# Allegro board IMX7D EVK BOARD REV D_160314.brd (continued)
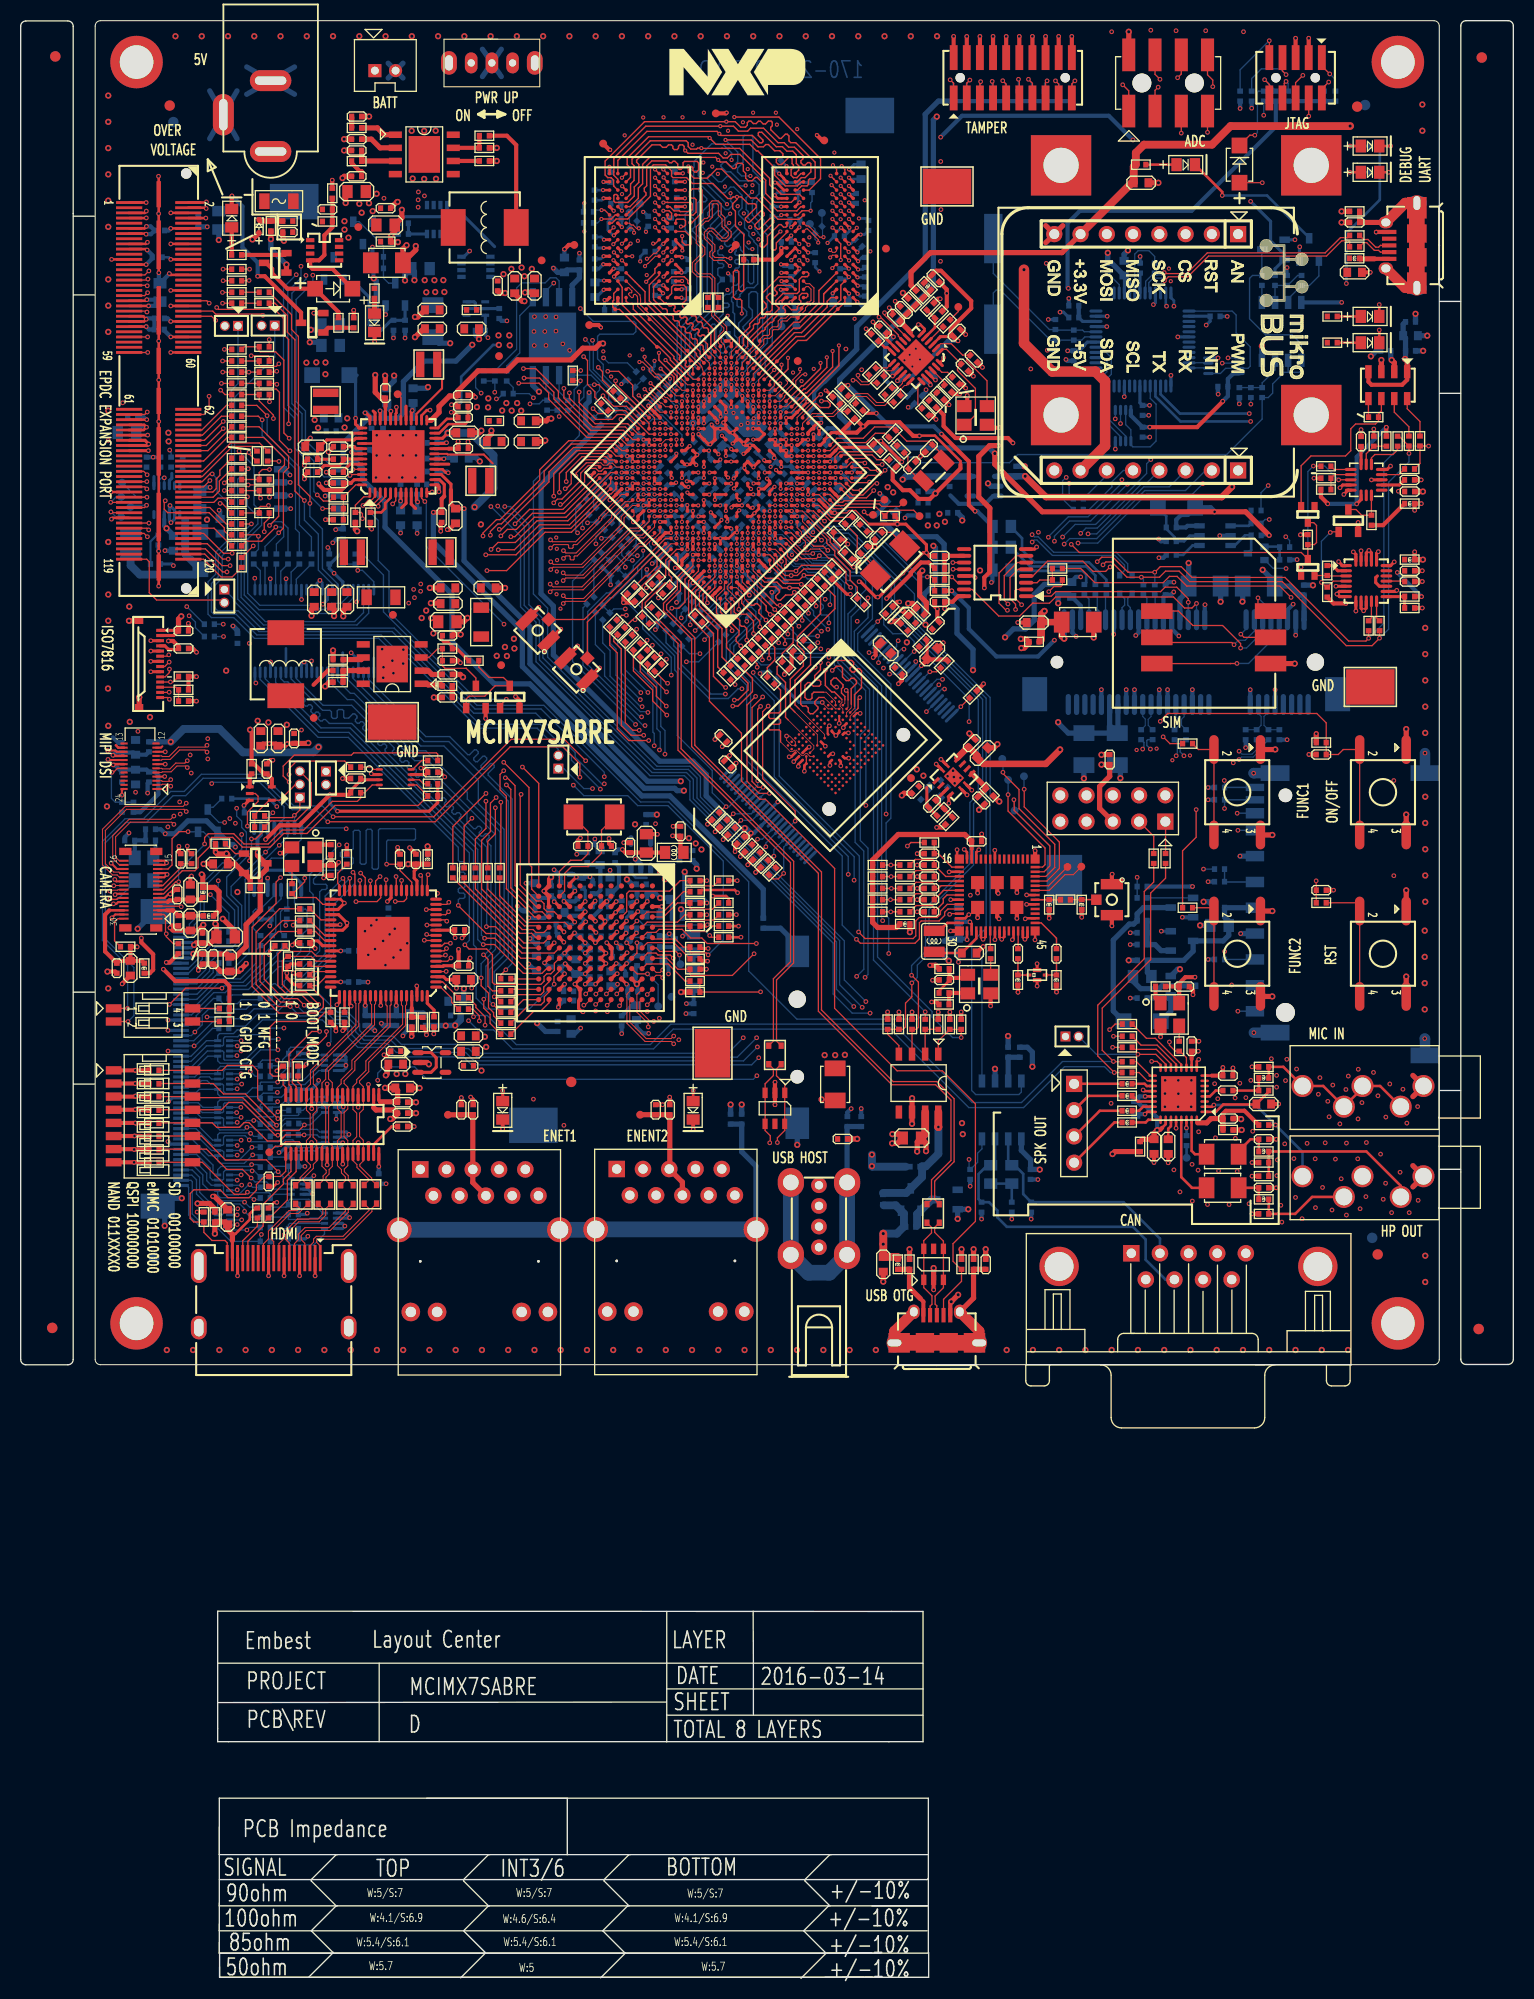
[diagram p0: board, top side]
## Routing (per net, layer and track width the routed paths; a pad name or vN(x,y) marks a point on that pad's centre or on a via; arc(x,y) is an arc through that point) (continued)
SD1_CLK_R: length 4.2
  BOTTOM w0.137: J6.5 116.47,106.04 C197.1 R106.2
SD1_CMD: length 69.3
  TOP w0.137: R39.2 70.34,125.28 70.34,124.61 69.4,123.67 69.05,123.67 v1(69.02,123.64)
  L3_INT_1 w0.127: v1(116.45,99.32) 116.45,100.78 111.12,106.11 111.12,106.29 111.64,106.8 111.64,106.98 111.46,107.16 111.28,107.16 110.76,106.64 110.58,106.64 110.4,106.82 110.4,107 110.95,107.55 110.95,107.73 110.77,107.91 110.59,107.91 110.04,107.36 109.86,107.36 108.62,108.61 90.17,108.61 83.37,115.41 78.01,115.41 72.92,120.51 72.15,120.51 v1(69.02,123.64)
  BOTTOM w0.137: J6.2 116.44,98.55 R99.2 116.44,99.31 v1(116.45,99.32)
SD1_DATA0: length 71
  TOP w0.137: v1(69.1,125.14) 69.07,125.16 69.07,125.2 R41.2
  L3_INT_1 w0.127: v1(69.1,125.14) 69.1,124.72 72.18,121.63 74.87,121.63 75.56,120.94 75.56,119.17 78.48,116.25 84.85,116.25 91.02,110.08 98.46,110.08 99.13,109.41 111.84,109.41 111.96,109.29 111.96,108.53 112.09,108.4 112.34,108.4 112.47,108.53 112.47,109.29 112.6,109.41 112.85,109.41 112.98,109.29 112.98,107.99 113.11,107.87 113.36,107.87 113.49,107.99 113.49,109.29 113.61,109.41 113.87,109.41 113.99,109.29 113.99,107.99 114.12,107.87 114.38,107.87 114.5,107.99 114.5,108.91 114.63,109.04 114.88,109.04 115.01,108.91 115.01,107.99 115.14,107.87 115.39,107.87 115.52,107.99 115.52,108.88 115.65,109.01 115.99,109.01 116.09,108.91 116.09,108.09 116.23,107.94 116.52,107.94 116.62,108.04 116.62,109.94 v1(117.73,111.04)
  BOTTOM w0.137: J6.7 v1(117.73,111.04)
SD1_DATA1: length 72.7
  L3_INT_1 w0.127: v1(117.66,112.69) 116.9,112.69 116.32,112.12 116.32,111.94 116.77,111.49 116.77,111.31 116.59,111.13 116.41,111.13 115.97,111.58 115.79,111.58 115.61,111.4 115.61,111.22 116,110.83 116,110.65 115.82,110.47 115.64,110.47 115.25,110.86 115.07,110.86 114.89,110.68 114.89,110.5 115.2,110.18 115.2,110 115.02,109.82 114.84,109.82 114.53,110.14 114.35,110.14 114.09,109.88 99.24,109.88 98.59,110.54 94.12,110.54 93.46,111.19 90.43,111.19 79.64,121.99 75.5,121.99 73.01,124.48 70.01,124.48 v1(69.76,124.73)
  BOTTOM w0.137: v1(69.76,124.73) 69.38,124.73 68.44,123.79 66.58,123.79 63.56,126.82 63.56,128.04 62.42,129.18 R42.2 ; J6.8 v1(117.66,112.69)
SD1_DATA2: length 72.7
  TOP w0.137: R43.2 70.04,126.49 70.78,125.75 70.78,124.45 69.38,123.06 v1(68.87,123.06)
  L3_INT_1 w0.127: v1(117.73,93.54) 117.73,97.31 113.24,101.8 113.24,102.94 112.39,103.8 112.21,103.8 111.98,103.57 111.8,103.57 111.62,103.75 111.62,103.93 111.85,104.16 111.85,104.34 111.67,104.52 111.49,104.52 111.26,104.29 111.08,104.29 110.9,104.47 110.9,104.65 111.13,104.87 111.13,105.05 107.96,108.22 90.02,108.22 83.27,114.98 76.85,114.98 68.87,122.95 v1(68.87,123.06)
  BOTTOM w0.137: J6.9 v1(117.73,93.54)
SD1_DATA3: length 73.2
  L3_INT_1 w0.127: v1(117.13,96.08) 117.13,97.02 109.59,104.57 109.59,105.86 107.61,107.83 89.82,107.83 83.06,114.59 76.65,114.59 68.17,123.07 68.17,124.21 v1(68.16,124.22)
  BOTTOM w0.137: v1(117.13,96.08) 117.16,96.05 J6.1 ; R44.2 63.16,128.91 63.9,128.16 63.9,127.09 66.76,124.22 v1(68.16,124.22)
SD1_RESET_B: length 62.1
  TOP w0.127: v1(66.42,133.05) 66.35,133.11 66.35,133.73 67.14,134.51 U7.B4
  L3_INT_1 w0.127: v1(107.99,106.5) 107.03,107.45 89.61,107.45 82.9,114.16 76.44,114.16 67.49,123.1 67.49,130.71 66.42,131.78 v1(66.42,133.05)
  BOTTOM w0.137: v1(107.99,106.5) R491.1 R108.1
SD1_WP: length 79.7
  TOP w0.102: U7.C4 67.67,135.04 v3(67.67,135.04)
  L3_INT_1 w0.127: 87.04,115.63 87.22,115.46 87.4,115.46 87.82,115.87 88,115.87 88.18,115.69 88.18,115.51 87.76,115.1 87.76,114.92 87.94,114.74 88.12,114.74 88.57,115.19 88.75,115.19 88.93,115.01 88.93,114.83 88.48,114.38 88.48,114.2 89.75,112.93 89.93,112.93 90.28,113.28 90.46,113.28 90.64,113.1 90.64,112.92 90.29,112.57 90.29,112.39 90.67,112.01 98.55,112.01 99.8,110.76 112.64,110.76 115.51,113.63 115.51,114.95 v1(116.41,115.86) ; v3(67.67,135.04) 67.75,134.96 67.75,131.9 68.28,131.37 68.28,127.59 70.65,125.22 73.38,125.22 75.72,122.88 78.43,122.88 78.56,123.01 78.56,123.39 78.69,123.51 78.94,123.51 79.07,123.39 79.07,123.01 79.19,122.88 79.8,122.88 81.41,121.27 81.59,121.27 81.85,121.53 82.03,121.53 82.21,121.35 82.21,121.17 81.95,120.91 81.95,120.73 82.13,120.55 82.31,120.55 82.57,120.81 82.75,120.81 82.93,120.63 82.93,120.45 82.67,120.19 82.67,120.01 82.85,119.83 83.03,119.83 83.29,120.09 83.47,120.09 83.65,119.91 83.65,119.73 83.39,119.47 83.39,119.29 83.57,119.11 83.75,119.11 84.01,119.37 84.19,119.37 84.37,119.19 84.37,119.01 84.1,118.75 84.1,118.57 84.44,118.24 84.62,118.24 84.88,118.5 85.06,118.5 85.24,118.32 85.24,118.14 84.98,117.88 84.98,117.7 86.5,116.17
  L3_INT_1 w0.137: 87.04,115.63 86.5,116.17
  BOTTOM w0.137: J6.11 116.45,115.19 R100.2 116.44,115.84 v1(116.41,115.86)
SD2_CLK: length 41.8
  TOP w0.137: R151.2 86.1,109.86 v1(85.77,109.53)
  L3_INT_1 w0.127: v1(85.77,109.53) 84.61,110.69 84.43,110.69 84.12,110.38 83.99,110.38 83.76,110.61 83.76,110.74 84.07,111.05 84.07,111.23 83.77,111.52 83.24,111.52 83.11,111.4 83.11,110.89 82.98,110.76 82.73,110.76 82.6,110.89 82.6,111.4 82.48,111.52 82.22,111.52 82.1,111.4 82.1,110.84 81.97,110.71 81.71,110.71 81.59,110.84 81.59,111.4 81.46,111.52 81.21,111.52 81.08,111.4 81.08,110.84 80.95,110.71 80.7,110.71 80.57,110.84 80.57,111.4 80.44,111.52 80.19,111.52 80.06,111.4 80.06,110.84 79.94,110.71 79.68,110.71 79.56,110.84 79.56,111.4 79.43,111.52 79.17,111.52 79.05,111.4 79.05,110.84 78.92,110.71 78.67,110.71 78.54,110.84 78.54,111.4 78.41,111.52 77.81,111.52 66.69,122.64 66.69,128.93 v1(66.15,129.48)
  BOTTOM w0.137: R286.2 66.72,130.05 v1(66.15,129.48)
SD2_CLK_R: length 4
  TOP w0.137: U16.17 90.07,107.48 88.77,108.78 C391.1 R151.1
SD2_CMD: length 39.2
  TOP w0.137: R152.2 v1(84.16,107.69) R375.2
  L3_INT_1 w0.127: v1(84.16,107.69) 83.17,108.68 83.17,108.86 83.78,109.47 83.78,109.65 83.6,109.83 83.42,109.83 82.81,109.22 82.63,109.22 82.45,109.4 82.45,109.58 82.83,109.96 82.83,110.14 82.65,110.32 82.47,110.32 82.09,109.94 81.91,109.94 81.67,110.18 78.62,110.18 66.25,122.55 66.25,128.4 65.69,128.96 65.69,130.75 65.52,130.92 v1(64.76,130.92)
  BOTTOM w0.137: R287.2 64.76,131.29 v1(64.76,130.92)
SD2_CMD_R: length 5.9
  TOP w0.137: R375.1 86.54,108.22 88.19,108.22 88.36,108.05 C397.1 89.47,106.58 U16.19
SD2_DA0: length 5.7
  TOP w0.137: U16.20 88.79,106.13 C401.1 88.36,107 88.22,107.15 86.59,107.15 R374.1
SD2_DA1: length 5.6
  TOP w0.137: R373.1 86.6,106.02 88.16,106.02 88.36,105.81 C400.1 88.77,105.42 89.03,105.68 U16.21
SD2_DA2: length 5.9
  TOP w0.137: R372.1 86.58,104.91 88.25,104.91 88.36,104.8 C399.1 89.26,105.23 U16.22
SD2_DA3: length 6.4
  TOP w0.137: R371.1 86.61,103.76 88.18,103.76 88.36,103.58 C398.1 89.23,104.03 89.23,104.43 89.59,104.78 U16.23
SD2_DATA0: length 37.9
  TOP w0.137: R374.2 v1(84.19,106.57) R156.2
  L3_INT_1 w0.127: v1(65.7,128.13) 65.7,122.57 78.59,109.68 81.07,109.68 81.47,109.28 81.47,109.1 81.16,108.79 81.16,108.61 81.34,108.43 81.52,108.43 81.83,108.75 82.01,108.75 82.19,108.57 82.19,108.39 81.86,108.06 81.86,107.88 82.04,107.7 82.22,107.7 82.55,108.03 82.73,108.03 82.91,107.85 82.91,107.67 82.54,107.3 82.54,107.12 82.72,106.94 82.9,106.94 83.26,107.31 83.44,107.31 v1(84.19,106.57)
  BOTTOM w0.137: v1(65.7,128.13) 64.69,128.13 R288.2
SD2_DATA1: length 40.9
  TOP w0.137: R155.2 v1(84.21,105.42) R373.2
  L3_INT_1 w0.127: v1(84.21,105.42) 83.58,105.42 82.5,106.51 82.32,106.51 81.89,106.08 81.71,106.08 81.53,106.26 81.53,106.44 81.96,106.87 81.96,107.05 81.78,107.23 81.6,107.23 81.16,106.79 80.98,106.79 80.8,106.96 80.8,107.14 81.24,107.59 81.24,107.77 81.06,107.95 80.88,107.95 80.45,107.52 80.27,107.52 80.09,107.7 80.09,107.88 80.52,108.31 80.52,108.49 79.8,109.21 78.53,109.21 65.07,122.67 65.07,130.19 65.23,130.35 v1(65.23,130.37)
  BOTTOM w0.137: R289.2 65.25,130.37 v1(65.23,130.37)
SD2_DATA2: length 38.2
  TOP w0.137: R154.2 v1(84.13,104.33) R372.2
  L3_INT_1 w0.127: v1(84.13,104.33) 81.73,104.33 64.39,121.67 v1(64.39,127.35)
  BOTTOM w0.137: v1(64.39,127.35) 65.58,127.35 R290.2
SD2_DATA3: length 40.6
  TOP w0.137: R153.2 v1(84.16,103.16) R371.2
  L3_INT_1 w0.127: v1(84.16,103.16) 82.34,103.16 63.89,121.61 v1(63.89,131.59)
  BOTTOM w0.137: R291.2 63.89,132.07 v1(63.89,131.59)
SD3_CLK: length 4.1
  TOP w0.137: R95.1 72.21,126.78 72.94,127.5 72.94,128.72 72.66,129 R444.2
SD3_CLK_R: length 13.9
  TOP w0.076: U10.M6 76.34,118.19 76.07,118.46 75.91,118.46 75.75,118.3 75.52,118.3 75.03,118.79 74.82,118.79 74.69,118.65 74.44,118.65 73.49,119.6
  TOP w0.137: R95.2 73.49,124.61 73.49,122.54 73.36,122.4 72.49,122.4 72.35,122.26 72.35,121.99 72.49,121.85 73.36,121.85 73.49,121.71 73.49,121.44 73.36,121.3 72.46,121.3 72.33,121.17 72.33,120.89 72.46,120.75 73.36,120.75 73.49,120.62 73.49,119.6
SD3_CMD: length 15.3
  TOP w0.076: U10.M5 76.72,118.92 76.72,119.23 74.21,121.74
  TOP w0.137: 74.21,121.74 73.98,121.98 73.98,125.34 73.16,126.16 73.16,126.86 R94.2 73.66,128.15 74.71,129.2 74.71,130.65 74.55,130.81 R445.2
SD3_DATA0: length 16.9
  TOP w0.076: U10.A3 79.72,123.34 79.72,123.65
  TOP w0.137: R436.2 71.74,127.92 v1(71.74,127.53) ; 79.72,123.65 79.72,124 79.39,124.33 79.39,124.73 79.54,124.89 79.54,125.11 78.88,125.77 78.65,125.77 78.37,125.49 78.37,125.19 78.67,124.89 v1(78.91,124.89)
  L3_INT_1 w0.127: v1(78.91,124.89) 79.26,125.24 79.26,125.44 79.08,125.62 78.81,125.62 78.23,125.04 78.23,124.81 78.1,124.68 77.85,124.68 77.72,124.81 77.72,125.04 77.59,125.16 77.34,125.16 77.21,125.04 77.21,124.81 77.09,124.68 76.83,124.68 76.7,124.81 76.7,125.04 76.58,125.16 76.06,125.16 73.44,127.78 73.16,127.78 72.6,127.22 72.05,127.22 v1(71.74,127.53)
SD3_DATA1: length 17
  TOP w0.076: 80.02,123.65 80.02,122.94 U10.A4
  TOP w0.137: v1(79.84,124.58) 80.02,124.4 80.02,123.65 ; R437.2 71.23,127.13 v1(71.23,126.82)
  L3_INT_1 w0.127: v1(79.84,124.58) 80.1,124.83 80.3,124.83 80.63,124.5 80.63,123.84 80.35,123.56 80.1,123.56 79.36,124.3 76.34,124.3 73.57,127.07 73.22,127.07 72.84,126.69 72.84,126.16 72.71,126.03 72.46,126.03 72.33,126.16 72.33,126.69 72.21,126.82 v1(71.23,126.82)
SD3_DATA2: length 16.7
  TOP w0.076: 80.65,123.03 80.65,122.85 U10.A5
  TOP w0.137: 80.65,123.03 80.65,124.16 81.32,124.84 81.32,126.48 81.13,126.67 80.94,126.67 80.61,126.35 80.41,126.35 80.22,126.54 80.22,126.73 80.57,127.09 80.57,127.28 80.38,127.47 78.75,127.47 78.42,127.15 v1(78.12,127.15) ; R439.2 76.94,132.96 v1(76.94,132.73)
  L3_INT_1 w0.127: v1(78.12,127.15) 78.12,127.15 76.6,128.66 76.6,131.57 76.94,131.91 v1(76.94,132.73)
SD3_DATA3: length 16.4
  TOP w0.076: 77.91,124.4 77.66,124.4
  TOP w0.081: 77.91,124.4 78.82,123.5 U10.B2
  TOP w0.137: v1(76.2,132.04) 76.2,132.46 R438.2 ; v1(77.35,127.27) 77.35,127.27 77.35,126.56 76.8,126 76.8,125.7 76.92,125.57 77.23,125.57 77.38,125.42 77.38,125.14 77.23,124.99 76.67,124.99 76.32,125.33 76.13,125.33 75.86,125.06 75.86,123.89 76.06,123.69 76.39,123.69 76.54,123.84 76.54,124.22 76.72,124.4 77.66,124.4
  L3_INT_1 w0.127: v1(77.35,127.27) 77.05,127.27 76.2,128.13 v1(76.2,132.04)
SD3_DATA4: length 16.4
  TOP w0.081: 77.71,123.89 78.82,122.79 U10.B3
  TOP w0.137: v1(75.59,131.35) 75.59,131.74 R440.2 ; v1(76.85,126.82) 75.45,125.42 75.45,123.23 75.63,123.06 75.98,123.06 76.17,122.87 76.17,122.51 76.36,122.32 76.64,122.32 77.11,122.79 77.11,122.97 76.81,123.27 76.81,123.5 77.2,123.89 77.71,123.89
  L3_INT_1 w0.127: v1(75.59,131.35) 75.78,131.16 75.78,127.88 v1(76.85,126.82)
SD3_DATA5: length 17.8
  TOP w0.076: 79.52,122.79 U10.B4
  TOP w0.081: 79.43,123.69 79.43,123.41 79.25,123.23 79.25,123.06 79.52,122.79
  TOP w0.137: v1(77.83,126.52) 77.83,125.05 78.46,124.42 78.71,124.42 79.43,123.69 ; v1(74.2,130.02) 74.2,130.53 R441.2
  L3_INT_1 w0.127: v1(77.83,126.52) 77.61,126.31 76.64,126.31 75.32,127.63
  L3_INT_1 w0.137: 75.32,127.63 75.32,129.91 73.81,131.43 73.21,131.43 72.4,130.63 72.4,130.32 72.63,130.09 73.01,130.09 73.37,130.45 73.78,130.45 v1(74.2,130.02)
SD3_DATA6: length 17.1
  TOP w0.076: 80.33,123.24 80.33,122.89
  TOP w0.081: 80.33,122.89 79.88,122.44 U10.B5
  TOP w0.137: v1(73.93,129.08) 73.93,129.54 R443.2 ; 80.33,123.24 80.33,124.74 80.83,125.24 80.83,125.52 80.61,125.75 80.33,125.75 80.1,125.52 79.84,125.52 79.49,125.88 79.49,126.74 79.31,126.92 78.9,126.92 v1(78.5,126.51)
  L3_INT_1 w0.127: 75.01,127.31 76.41,125.91 77.9,125.91 v1(78.5,126.51)
  L3_INT_1 w0.137: 75.01,127.31 74.38,127.93 74.38,128.42 74.89,128.92 74.89,129.36 74.69,129.56 74.41,129.56 v1(73.93,129.08)
SD3_DATA7: length 18
  TOP w0.076: 80.91,122.76 80.87,122.72
  TOP w0.081: U10.B6 80.23,122.08 80.87,122.72
  TOP w0.127: 81,122.85 80.91,122.76
  TOP w0.137: 81,122.85 81,123.72 v1(81.16,123.89) ; R442.2 72.39,128.56 v1(72.39,127.68)
  L3_INT_1 w0.127: v1(81.16,123.89) 81.16,124.68 79.74,126.1 78.7,126.1 78.14,125.55 76.22,125.55 72.47,129.3 72.29,129.3 71.88,128.89 71.88,128.18 v1(72.39,127.68)
SD3_RESET_B: length 18
  TOP w0.076: 74.92,122.45 77.05,120.31 U10.K5
  TOP w0.137: 74.92,122.45 74.43,122.93 74.43,125.67 75.7,126.94 75.7,127.43 R93.2 75.75,128.06 75.75,128.34 75.12,128.97 75.12,129.76 77.37,132.01 77.37,133.81 R446.2
SD3_STROBE: length 6.9
  TOP w0.137: R447.2 78.75,133.69 78.75,132.48 R96.1
SD3_STROBE_R: length 10.6
  TOP w0.076: 75.27,122.8 77.76,120.32 U10.H5
  TOP w0.137: 75.27,122.8 74.89,123.18 74.89,125.55 76.4,127.06 R96.2
SENSOR_INT_B: length 87.9
  TOP w0.127: D24.3 125.07,140.8 125.34,140.53 125.34,138.88 125.14,138.68 R351.2 D14.3 123.86,137.92 102.4,137.92 v1(101.61,138.7) ; R471.2 58.48,121.46 59.22,120.72 v1(59.83,120.72)
  L6_INT_2 w0.127: v1(101.61,138.7) 101.61,137.94 99.25,135.58 96.38,135.58 86.52,125.72 84.77,125.72 82.43,123.39 80.78,123.39 79.95,122.55 75.81,122.55 73.57,120.31 62.39,120.31 61.99,120.72 v1(59.83,120.72)
SENSOR_RST_B: length 41.4
  TOP w0.127: v1(125.81,135.03) 126.27,134.57 R175.2 126.95,135.15 U20.4 ; v1(105.37,136.52) 104.94,136.09 103.72,136.09 102.73,137.08 99.33,137.08 97.89,135.64 U38.4 ; Q16.1 126.73,139.91 v1(126.66,139.85)
  L3_INT_1 w0.127: v1(105.37,136.52) 109.46,140.61 125.91,140.61 v1(126.66,139.85)
  BOTTOM w0.127: v1(125.81,135.03) 125.81,139 v1(126.66,139.85)
SIM1P1_CLK: length 37.1
  TOP w0.127: J18.8 13.93,126.89 v1(14.36,127.32) ; R421.2 24.03,156.84 23.92,156.95 22.3,156.95 v1(22.3,156.95)
  L3_INT_1 w0.127: v1(14.36,127.32) 14.85,127.8 14.85,130.27 14.21,130.9 14.21,137.03 14.95,137.76 14.95,139.54 19.14,143.73 19.14,144.82 19.59,145.28 19.59,148.96 19.14,149.42 19.14,150.87 21.53,153.26 21.53,156.18 v1(22.3,156.95)
SIM1P1_IC_INT_B: length 138.8
  TOP w0.127: v1(75.01,137.26) 74.45,137.26 74.17,137.55 74.17,138.09 73.5,138.76 U7.L2 ; R498.2 14.74,125.39 v1(14.49,125.39) 14.48,125.39 J18.11
  L6_INT_2 w0.127: v1(14.49,125.39) 12,125.39 9.77,123.16 9.77,116.6 9.1,115.94 9.1,112.79 7.91,111.6 7.91,103.78 8.39,103.3 11.01,103.3 11.87,104.16 20.94,104.16 21.63,104.84 21.63,105.68 23.21,107.26 26.48,107.26 27.62,108.4 32.7,108.4 33.16,108.86 40.6,108.86 40.73,108.98 52.72,108.98 53,109.26 55.84,109.26 56.53,108.58 58.3,108.58 59.12,109.39 62.8,109.39 63.61,108.58 67.37,108.58 68.44,109.65 71.41,109.65 71.77,110 78.29,110 v1(81.75,113.46)
  BOTTOM w0.102: 76.41,136.6 75.75,137.26 v1(75.01,137.26)
  BOTTOM w0.127: 76.41,136.6 76.44,136.57 77.61,136.57 79.36,134.81 79.36,127.42 82.1,124.68 82.1,120.36 81.75,120.01 v1(81.75,113.46)
SIM1P1_PD: length 27.4
  TOP w0.127: R428.2 24.03,144.57 23.92,144.45 22.01,144.45 v1(22.01,144.45) ; v1(14.39,123.72) 14.22,123.89 J18.14
  L3_INT_1 w0.127: v1(14.39,123.72) 16.32,125.65 16.32,128.95 18.02,130.65 18.02,138.52 21.3,141.8 21.3,143.75 22,144.45 v1(22.01,144.45)
SIM1P1_RST_B: length 35.6
  TOP w0.127: v1(14.39,126.64) 14.39,126.31 13.97,125.89 J18.10 ; R423.2 24.68,155.36 v1(24.76,155.45)
  L3_INT_1 w0.127: v1(14.39,126.64) 14.51,126.64 15.43,127.55 15.43,129.36 17.21,131.13 17.21,138.88 20.15,141.83 20.15,151.3 23.59,154.74 24.06,154.74 v1(24.76,155.45)
SIM1P1_SVEN: length 36.5
  TOP w0.127: v1(24.78,154.18) 24.69,154.27 R422.2 ; v1(14.36,124.4) 14.35,124.39 J18.13
  L3_INT_1 w0.127: v1(24.78,154.18) 24.68,154.28 23.82,154.28 20.56,151.02 20.56,141.62 17.64,138.7 17.64,130.85 15.86,129.08 15.86,125.9 v1(14.36,124.4)
SIM1P1_TXRD: length 37.6
  TOP w0.127: J18.6 14.19,127.89 v1(14.32,128.02) ; R420.2 24.03,158.51 v1(24.04,158.52)
  L3_INT_1 w0.127: v1(14.32,128.02) 13.8,128.54 13.8,137.2 14.46,137.86 14.46,139.59 18.81,143.94 18.81,145.03 19.26,145.48 19.26,148.63 18.76,149.14 18.76,151.12 21.14,153.51 21.14,156.71 22.95,158.52 v1(24.04,158.52)
SNVS_TAMPER0: length 46.7
  TOP w0.102: U7.AA7 76.16,146.71 v3(76.16,146.71)
  TOP w0.127: v1(89.9,183.64) 90.24,183.3 J31.1
  L3_INT_1 w0.102: 77.58,148.65 76.16,147.24 v3(76.16,146.71)
  L3_INT_1 w0.127: v1(89.9,183.64) 89.9,182.92 90.43,182.4 90.43,165.17 85.53,160.28 85.53,159.1 82.64,156.2 82.64,154.32 77.58,149.26 77.58,148.65
  BOTTOM w0.127: v1(89.9,183.64) 90.18,183.36 R225.2
SNVS_TAMPER1: length 50.7
  TOP w0.102: U7.Y8 75.1,146.71 v3(75.1,146.71)
  TOP w0.127: v1(91.81,183.61) 91.51,183.31 J31.3
  L3_INT_1 w0.102: 78.34,150.47 75.25,147.38 75.25,146.86 v3(75.1,146.71)
  L3_INT_1 w0.127: v1(91.81,183.61) 91.81,184.12 91.35,184.58 89.8,184.58 89.39,184.17 89.39,182.57 89.97,181.99 89.97,165.43 82.26,157.72 82.26,154.39 78.34,150.47
  BOTTOM w0.127: v1(91.81,183.61) 91.48,183.28 R226.2
SNVS_TAMPER2: length 46.3
  TOP w0.102: v3(77.22,146.71) 77.22,146.71 U7.AB6
  TOP w0.127: J31.5 92.78,183.39 v1(92.85,183.46)
  L3_INT_1 w0.102: v3(77.22,146.71) 77.36,146.85 77.36,147.4 77.8,147.84
  L3_INT_1 w0.127: 77.8,147.84 77.8,148.25 78.65,149.11 78.65,149.83 83.09,154.27 83.09,156.03 86.04,158.97 86.04,160.24 90.86,165.06 90.86,180.02 92.85,182.01 v1(92.85,183.46)
  BOTTOM w0.127: R228.2 92.84,183.45 v1(92.85,183.46)
SNVS_TAMPER3: length 55.1
  TOP w0.102: v3(75.63,146.18) 75.63,146.18 U7.Y7
  TOP w0.127: J31.7 94.05,183.4 v1(93.97,183.48)
  L3_INT_1 w0.102: v3(75.63,146.18) 74.93,146.18 74.66,146.45 74.66,146.81 74.97,147.11 74.97,148.16 76.82,150.01
  L3_INT_1 w0.127: 76.82,150.01 76.82,150.56 78.52,152.27 79.59,152.27 81.85,154.53 81.85,158 89.52,165.67 89.52,181.68 88.91,182.29 88.91,184.3 89.7,185.08 92.37,185.08 v1(93.97,183.48)
  BOTTOM w0.127: R230.2 93.95,183.47 v1(93.97,183.48)
SNVS_TAMPER4: length 48.7
  TOP w0.102: v3(77.22,145.65) 77.22,145.65 U7.AA5
  TOP w0.127: v1(94.99,183.55) 95.32,183.22 J31.9
  L3_INT_1 w0.102: 78.27,147.22 77.22,146.17 v3(77.22,145.65)
  L3_INT_1 w0.127: v1(94.99,183.55) 91.32,179.88 91.32,163.67 83.5,155.85 83.5,154.12 79.05,149.67 79.05,148.99 78.27,148.22 78.27,147.22
  BOTTOM w0.127: R234.2 95.25,183.28 v1(94.99,183.55)
SNVS_TAMPER5: length 51
  TOP w0.102: v3(76.69,145.12) 76.69,145.12 U7.Y5
  TOP w0.127: J31.11 96.59,183.6 v1(96.51,183.69)
  L3_INT_1 w0.102: 78.73,146.63 77.21,145.12 v3(76.69,145.12)
  L3_INT_1 w0.127: v1(96.51,183.69) 95.82,183.69 91.79,179.66 91.79,163.5 83.91,155.62 83.91,153.99 79.39,149.48 79.39,148.84 78.73,148.18 78.73,146.63
  BOTTOM w0.127: R232.2 96.51,182.55 v1(96.51,183.69)
SNVS_TAMPER6: length 51.6
  TOP w0.102: v3(77.75,145.12) 77.75,145.12 U7.AA4
  TOP w0.127: v1(97.47,183.69) 97.86,183.3 J31.13
  L3_INT_1 w0.102: v3(77.75,145.12) 77.89,145.26 78.41,145.26 79.34,146.19
  L3_INT_1 w0.127: 79.34,146.19 79.34,147.51 79.79,147.95 79.79,149.14 82.82,152.16 83.12,152.16 85.25,154.3 85.25,155.59 87.06,157.4 87.06,158.16 92.22,163.32 92.22,179.48 95.85,183.11 96.9,183.11 v1(97.47,183.69)
  BOTTOM w0.127: R236.2 97.76,183.4 v1(97.47,183.69)
SNVS_TAMPER7: length 55.3
  TOP w0.102: U7.Y4 77.22,144.59 v3(77.22,144.59)
  TOP w0.127: v1(99.27,183.53) 99.13,183.39 J31.15
  L3_INT_1 w0.102: 80.49,144.45 79.7,143.66 77.44,143.66 77.22,143.88 v3(77.22,144.59)
  L3_INT_1 w0.127: v1(99.27,183.53) 97.67,181.93 96.48,181.93 93.41,178.87 93.41,162.54 88.3,157.42 88.3,155.72 84.57,151.99 84.57,151.3 81.09,147.82 81.09,145.05 80.49,144.45
  BOTTOM w0.127: v1(99.27,183.53) 99.03,183.29 R239.2
SNVS_TAMPER8: length 54.6
  TOP w0.102: U7.AA3 78.28,144.59 v3(78.28,144.59)
  TOP w0.127: J31.17 100.4,183.22 v1(100.09,183.53)
  L3_INT_1 w0.127: v3(78.28,144.59) 78.53,144.34 79.74,144.34 80.78,145.39 80.78,148.13 84.01,151.35 84.01,151.96 87.9,155.85 87.9,157.63 93.05,162.78 93.05,179.04 96.33,182.32 97.37,182.32 99.1,184.04 99.58,184.04 v1(100.09,183.53)
  BOTTOM w0.127: v1(100.09,183.53) 100.48,183.14 R242.2
SNVS_TAMPER9: length 58.1
  TOP w0.102: U7.Y3 77.75,144.06 v3(77.75,144.06)
  TOP w0.127: J31.19 101.67,183.23 v1(101.97,183.53)
  L3_INT_1 w0.102: 79.86,145.53 79.86,145.37 79.21,144.72 78.68,144.72 78.42,144.98 78.14,144.98 77.75,144.58 v3(77.75,144.06)
  L3_INT_1 w0.127: 79.86,145.53 79.86,146.98 80.24,147.36 80.24,148.14 83.45,151.35 83.45,151.94 87.49,155.97 87.49,157.8 92.66,162.98 92.66,179.26 96.1,182.7 97.14,182.7 99.1,184.65 101.43,184.65 101.97,184.12 v1(101.97,183.53)
  BOTTOM w0.127: v1(101.97,183.53) 101.71,183.28 R241.2
SOC_SD1_CLK: length 4.8
  TOP w0.127: 64.91,134.23 65.6,134.93 65.6,135.09 66.09,135.57 U7.B5
  TOP w0.137: 64.91,134.23 64.91,132.17 R40.1
SOC_SD1_CMD: length 11
  TOP w0.127: U7.C5 67.14,135.55 65.65,134.05 65.65,132.74
  TOP w0.137: R39.1 67.83,127.8 67.83,130.55 65.65,132.74
SOC_SD1_DATA0: length 10.2
  TOP w0.127: U7.A5 66.08,134.94 65.26,134.12
  TOP w0.137: 65.26,134.12 65.26,132.59 67.42,130.43 67.42,126.85 R41.1
SOC_SD1_DATA1: length 8.1
  TOP w0.102: v3(67.14,136.63) U7.D6
  BOTTOM w0.102: v3(67.14,136.63) 67.06,136.55 67.06,135.86 66.73,135.53 66.73,135.24
  BOTTOM w0.137: R42.1 63.44,131.37 63.44,132.4 65.31,134.28 65.77,134.28 66.73,135.24
SOC_SD1_DATA2: length 8.5
  TOP w0.127: U7.A4 66.61,134.51 65.99,133.89 65.99,132.82
  TOP w0.137: R43.1 68.28,128.71 68.28,130.53 65.99,132.82
SOC_SD1_DATA3: length 7.9
  TOP w0.102: U7.D5 v3(67.67,136.1)
  BOTTOM w0.102: v3(67.67,136.1) 67.53,135.96 67.53,135.56 67.27,135.29 67.27,134.64 66.81,134.19
  BOTTOM w0.137: R44.1 63.84,130.8 64.4,131.36 64.4,131.78 66.81,134.19
SOC_SD2_CLK: length 6.3
  TOP w0.102: U7.E3 v3(69.26,135.57)
  BOTTOM w0.102: 69.42,134.41 69.42,135.41 v3(69.26,135.57)
  BOTTOM w0.127: 67.79,131.12 67.79,132.36 69.42,133.99 69.42,134.41
  BOTTOM w0.137: R286.1 67.79,131.12
SOC_SD2_CMD: length 7.7
  TOP w0.102: v3(68.2,137.69) 68.2,137.69 U7.F6
  BOTTOM w0.102: 68.08,134.9 68.08,135.17 67.81,135.45 67.81,135.7 68.03,135.93 68.03,136.26 67.81,136.49 67.81,136.77 68.2,137.16 v3(68.2,137.69)
  BOTTOM w0.127: 68.08,134.9 68.08,133.99 66.41,132.31 R287.1
SOC_SD2_DATA0: length 9.2
  TOP w0.102: U7.E4 v3(68.73,136.1)
  BOTTOM w0.102: 68.84,133.87 68.84,136 v3(68.73,136.1)
  BOTTOM w0.127: 68.84,133.87 67.41,132.44 67.41,131.71
  BOTTOM w0.137: 67.41,131.71 65.26,129.57 R288.1
SOC_SD2_DATA1: length 6.6
  TOP w0.102: U7.E5 68.2,136.63 v3(68.2,136.63)
  BOTTOM w0.102: 68.44,134.52 68.44,135.3 68.58,135.44 68.58,135.71 68.34,135.95 68.34,136.49 v3(68.2,136.63)
  BOTTOM w0.127: R289.1 66.5,131.95 68.44,133.89 68.44,134.52
SOC_SD2_DATA2: length 8.8
  TOP w0.102: v3(68.73,137.16) 68.73,137.16 U7.F5
  BOTTOM w0.102: 69.69,134.14 69.69,135.7 68.88,136.51 68.88,137.01 v3(68.73,137.16)
  BOTTOM w0.127: 69.69,134.14 69.69,133.47 68.9,132.68 68.9,131.77 68.19,131.06
  BOTTOM w0.137: 68.19,131.06 R290.1
SOC_SD2_DATA3: length 5.8
  TOP w0.102: v3(67.67,137.16) 67.67,137.16 U7.E6
  BOTTOM w0.102: 67,134.91 67,135.43 67.28,135.71 67.28,136.22 67.53,136.48 67.53,137.02 v3(67.67,137.16)
  BOTTOM w0.127: 65,133.18 R291.1
  BOTTOM w0.137: 65,133.18 65.53,133.7 65.79,133.7 67,134.91
SPI3_MISO: length 5.4
  BOTTOM w0.127: J14.40 17.04,96.19 18.27,97.42 18.27,98.24 R358.2
SPI3_MOSI: length 4.9
  BOTTOM w0.127: R357.2 18.62,97.66 18.62,97.29 17.02,95.69 J14.39
SPI3_SCLK: length 4.5
  BOTTOM w0.127: J14.38 17.05,95.19 19.1,97.24 R356.2
SPI_SS_B: length 30.2
  TOP w0.127: JP1.3 28.1,115.65 28.1,113.45 26.62,111.96 24.2,111.96 R360.1 23.4,111.16 23.4,110.87 22.74,110.21 v1(22.32,110.21)
  BOTTOM w0.127: J14.41 17.03,96.69 17.91,97.57 17.91,98.82 18.83,99.74 20.48,99.74 21.04,100.3 21.04,103.6 19.93,104.72 19.93,106.52 22.32,108.92 v1(22.32,110.21)
SPKLN: length 5.7
  TOP w0.254: J17.3 104.37,83.92 L31.2
SPKLP: length 6.3
  TOP w0.254: L28.2 105.78,82.79 J17.4
SPKOUTLN: length 2.2
  TOP w0.254: U24.23 108.57,84.31 108.17,83.92 L31.1
SPKOUTLP: length 2.9
  TOP w0.254: U24.25 109.07,83.05 108.81,82.79 L28.1
SPKOUTRN: length 2.1
  TOP w0.254: L30.1 108.71,86.53 108.92,86.31 U24.19
SPKOUTRP: length 2.2
  TOP w0.254: L27.1 108.05,84.81 U24.22
SPKRN: length 4.6
  TOP w0.254: J17.1 101.9,86.53 L30.2
SPKRP: length 5.2
  TOP w0.254: L27.2 103.28,85.36 J17.2
SPLLVDD_ENET: length 5.9
  TOP w0.406: v1(56.7,104.16) 56.6,104.16 U31.F3
  BOTTOM w0.406: L53.2 57.87,107.54 57.87,105.66 57.26,105.05 C413.1 57.01,104.46 v1(56.7,104.16) 56.7,103.85 C414.1
SR_VLX: length 2.8
  TOP w0.254: L18.1 88.87,101.32 89.63,102.08 U16.29
SW1ALX: length 1.6
  TOP w0.305: 36.85,142.25 37.28,142.68 U4.8
SW1BLX: length 1.7
  TOP w0.305: U4.9 37.78,142.6 38.2,142.18
SW2_1V8: length 182.4
  TOP w0.203: U4.19 41.24,147.46 41.31,147.39 44.79,147.39 45.66,146.53